# KiCad board AMC_FMC_Carrier-PcbDoc.kicad_pcb (continued)
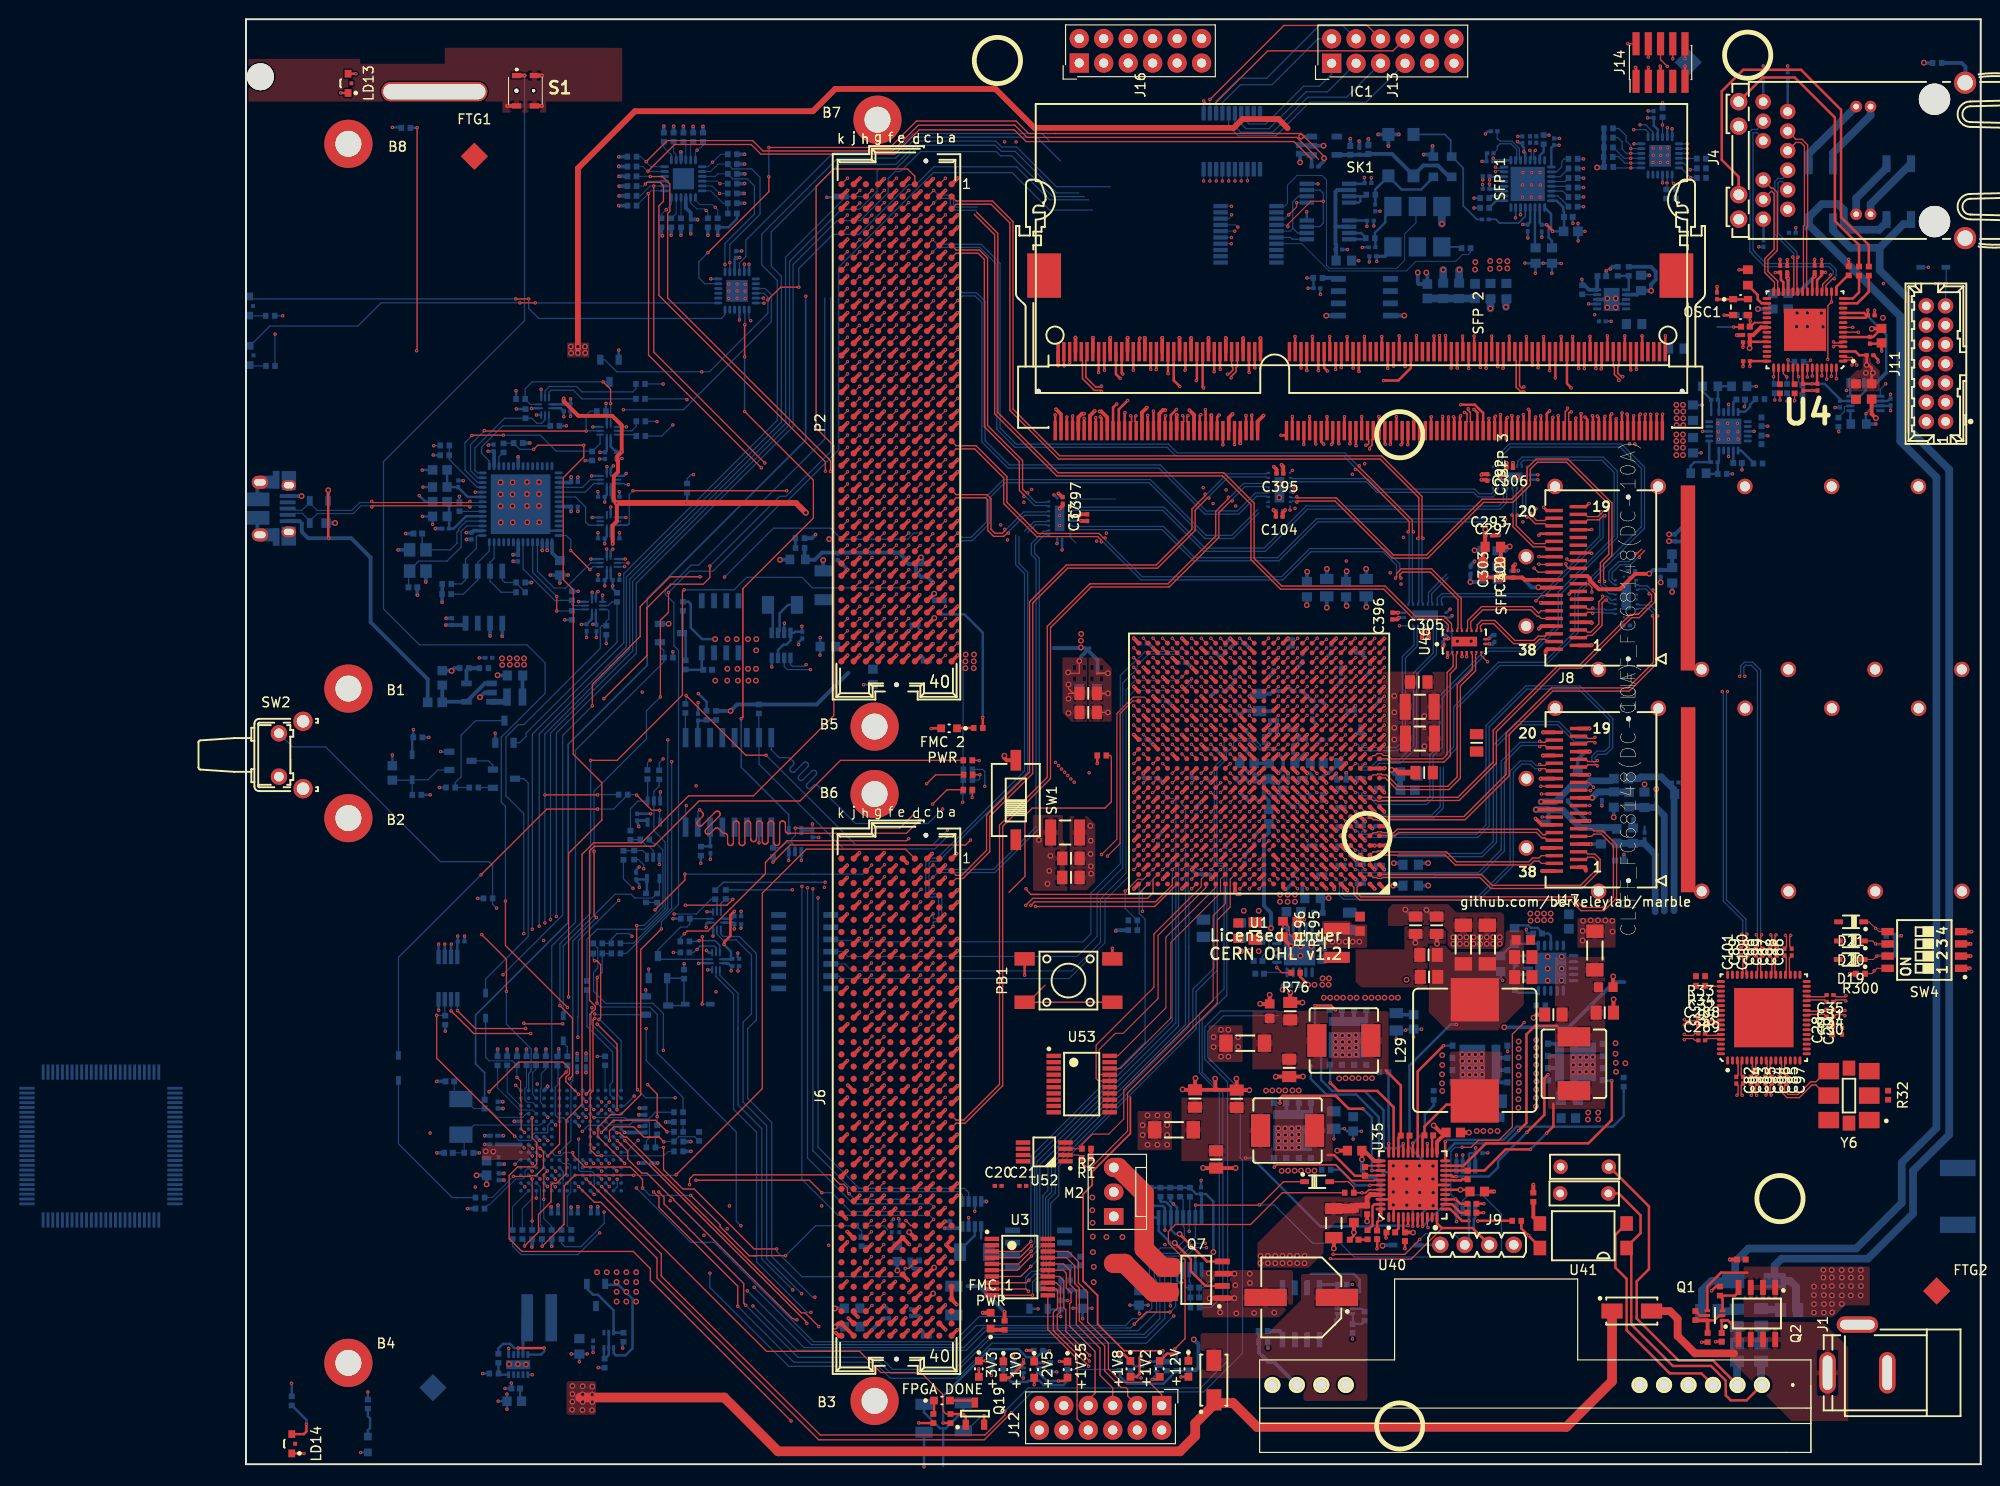
[diagram p0: board, top side]
## Routing (per net, layer and track width the routed paths; a pad name or vN(x,y) marks a point on that pad's centre or on a via; arc(x,y) is an arc through that point) (continued)
  Top w0.11: U1.C21 v1(97.12,61.73)
  Top w0.112: v1(66.23,89.06) P2.G36 65.62,88.42
  In7.Cu w0.1: v1(97.12,61.73) 96.77,61.38 89.18,61.38 88.44,60.64 85.8,60.64 85.36,61.09 82.5,61.09 75.07,68.51 75.07,68.94 70.06,73.94 70.06,82.97 69.57,83.46 69.57,88.02 69.03,88.57 66.72,88.57 v1(66.23,89.06)
MGTAVCC: length 7.6
  Top w0.381: U1.G6 v1(113.12,65.73) ; U1.L6 v1(113.12,69.73) ; U1.E6 v1(113.12,63.73) ; U1.J6 v1(113.12,67.73) ; U1.C6 v1(113.12,61.73)
  Bottom w0.381: C219.1 113.27,67.88 v1(113.12,67.73) ; v1(113.12,69.73) 113.27,69.88 C381.1 ; v1(113.12,65.73) 113.27,65.88 C4.1 ; v1(113.12,63.73) 113.27,63.88 C217.1 ; C221.1 113.27,61.88 v1(113.12,61.73)
  Bottom w0.4: C1.1 109.87,58.83 109.6,59.1 109.6,59.91
  vias: v2(107.29,59.13) v2(107.29,58.39) v2(108.08,59.13) v2(108.08,58.39) v2(108.84,59.13) v2(108.84,58.39)
MGTAVTT: length 46.6
  Top w0.178: 91.77,38.12 91.77,34.33 87.81,30.37 87.81,28.97 86.87,28.03 86.87,19.02 88.36,17.52 88.36,14.54 91.13,11.78 v1(95.15,11.78)
  Top w0.381: U1.M3 v1(116.12,70.73) ; U1.B3 v1(116.12,60.73) ; U1.D3 v1(116.12,62.73) ; U1.H3 v1(116.12,66.73) ; U1.C2 v1(117.12,61.73) ; U1.L2 v1(117.12,69.73) ; v1(116.87,65.99) 116.64,66.23 U1.G2
  Bottom w0.178: v1(95.15,11.78) 95.15,11.05 R253.1
  Bottom w0.381: v1(117.12,61.73) 117.27,61.88 C230.1 ; v1(116.12,70.73) 115.97,70.88 C380.1 ; v1(117.12,69.73) 117.27,69.88 C234.1 ; C225.1 v2(119.05,60.06) ; 120.05,62.4 v2(119.1,62.4) ; v1(116.87,65.99) 117.11,66.23 C232.1
  Bottom w0.4: C238.1 115.97,62.58 v1(116.12,62.73) ; C228.1 115.97,66.58 v1(116.12,66.73) ; v1(114.16,71.77) 114.16,71.77 R161.2 ; C236.1 115.97,60.58 v1(116.12,60.73)
  vias: v2(133.27,57.16) v2(133.29,56.42) v2(134,57.16) v2(134,56.47) v2(134.69,57.16) v2(134.69,56.47) v2(135.38,57.16) v2(135.38,56.47)
VTT_DDR3: length 3.4
  Top w0.254: SK1.204 147.27,117.12 v1(147.28,117.14) ; v1(146.99,109.01) 146.97,108.99 SK1.203
Net-(C38-Pad1): length 3.7
  Bottom w0.254: U30.2 46.89,77.19 C38.1 47.72,77.2 R224.2 47.8,77.26 R225.2
Net-(C39-Pad1): length 3
  Bottom w0.254: R227.2 47.24,64.15 C39.1 48.16,64.18 U30.14
Net-(C42-Pad2): length 16.1
  Top w0.254: 156.04,116.52 156.04,116.51 U4.38 ; v1(158.68,123.71) 158.68,123.71 C52.1 ; 163.51,123.56 163.51,123.42 163.02,122.93 U4.19 ; U4.26 159.52,122.69 159.27,122.94 159.27,123.69 ; C48.1 163.51,123.73 v1(163.88,123.73) ; U4.3 167,115.51 167.4,115.12 C46.1 168.16,114.33 168.69,113.8 168.69,113.33 168.68,113.32 C42.2
  Top w0.4: v2(156.02,115.86) 156.04,115.88 156.04,117.2 156.37,117.2 157.18,118.01 U4.35
  vias: v2(168.08,113.29) v2(168.16,114.11) v2(168.82,113.29)
Net-(C47-Pad2): length 11.5
  Top w0.254: v1(162.75,123.3) 162.52,123.07 U4.20 ; 162.72,123.68 C51.1 ; U4.25 160.02,122.88 160,122.89 v1(160,123.07) 160,123.69
  Top w0.4: v1(160,123.07) 159.92,123.15 C49.1 ; C51.1 162.77,123.32 v1(162.75,123.3)
  Bottom w0.4: C47.2 160.98,121.53 v1(162.75,123.3) ; C47.2 160.02,123.06 v1(160,123.07) ; C47.2 160,121.52 L4.2
Net-(C58-Pad1): length 2.4
  Bottom w0.254: C58.1 157.43,141.45 J4.7
Net-(C59-Pad1): length 3.4
  Bottom w0.254: J4.1 159.97,140.43 C59.1
Net-(C60-Pad1): length 0.2
  Bottom w0.254: 160.13,130.11 J4.6
Net-(C71-Pad2): length 4.1
  Bottom w0.254: U47.16 152.83,110.4 C71.2 152.73,111.89 R68.2 R69.1
Net-(C73-Pad1): length 1.4
  Bottom w0.254: U47.19 154.33,110.21 C73.1
Net-(C75-Pad2): length 3.7
  Bottom w0.254: U47.10 152.83,104.15 C75.2 152.71,104.02 R71.1 151.58,102.81 R70.2
Net-(C77-Pad2): length 1.3
  Bottom w0.254: C77.2 154.33,103.96 U47.7
Net-(C93-Pad1): length 12.4
  Bottom w0.102: C93.1 R132.1 22.64,33.87 Y5.2 22.65,34.21 23.65,35.21 30.55,35.21 30.93,35.59
  Bottom w0.127: 30.93,35.59 30.93,35.58
Net-(C102-Pad1): length 10.1
  Bottom w0.102: C92.1 21.61,38.6 Y5.1 22.65,37.91 23.63,36.93 C102.1 25.17,36.93 26.09,36.01 28.71,36.01 29.09,36.39 29.33,36.39
  Bottom w0.127: 29.33,36.39 29.33,36.39
Net-(C106-Pad1): length 12.5
  Bottom w0.4: U19.2 113.23,132.27 113.04,132.09 113.04,126.68 113.11,126.61 C106.1
  Bottom w0.402: 114.48,128.47 U16.2 114.26,128.46 114.26,128.46 113.04,128.46 ; 113.76,123.05 U14.8 113.25,123.15 R58.1 ; C106.1 113.33,124.73
Net-(C107-Pad1): length 13.8
  Bottom w0.402: U13.5 116.37,135.92 C107.1 118.92,136.02 121.14,133.8 ; 121.14,133.8 Y2.4 ; 121.14,133.8 122.17,134.82 123.67,134.82 125.01,133.49 125.01,133.45
Net-(C111-Pad1): length 5
  Bottom w0.802: L11.2 127.52,121.01 L12.1
Net-(C114-Pad1): length 5.2
  Bottom w0.178: U20.21 132.75,129.54 132.06,128.85 130.08,128.85 129.69,129.23 C114.1
Net-(C114-Pad2): length 14
  Bottom w0.178: Y2.3 124.38,138.05 125.01,137.42 125.01,135.87 126.3,134.57 126.3,130.64 127.71,129.23 C114.2
Net-(C120-Pad1): length 4.2
  Bottom w0.254: U20.19 133.75,126.33 C120.1
Net-(C121-Pad1): length 4.7
  Bottom w0.254: U20.17 135.41,129.8 135.41,128.43 135.16,128.18 135.16,127.35 135.51,127 C121.1
Net-(C123-Pad1): length 8.6
  Top w0.254: v1(135.56,127.98) 135.56,128.07 v1(134.97,128.67)
  Bottom w0.254: U20.18 134.25,128.86 C126.1 134.96,128.66 v1(134.97,128.67) ; U20.16 136,131.16 136.68,130.48 136.68,130.13 136.76,130.05 C123.1 136.76,128.03 L26.1 v1(135.56,127.98)
Net-(C127-Pad1): length 12.9
  Top w0.254: C127.1 126.83,28.49 U35.16 ; U35.4 120.08,24.25 C140.1
  Top w0.4: C140.1 121.08,24.07 v2(121.1,24.04)
  In2.Cu w0.4: v2(126.01,28.49) 126.01,26.94 122.98,23.92 121.66,23.92 121.53,24.04 v2(121.1,24.04)
Net-(C128-Pad1): length 14
  Top w0.254: 154.26,14.43 153.75,14.93 Q1.1 153.12,14.84 C128.1
  Top w0.8: D4.2 147.74,15.9 148.55,15.09 148.55,13.31 150.35,11.51 154.41,11.51
Net-(C129-Pad1): length 124.3
  Top w1: D4.1 141.74,8.62 137,3.88 104.9,3.88 102.42,6.35 100.43,6.35 ; 100.43,6.35 D12.1 ; 100.43,6.35 100.43,6.18 98.5,4.25 98.5,2.94 96.9,1.34 55.22,1.34 49.63,6.92 34.67,6.92
  Bottom w0.254: C129.1 28.44,6.69 C130.1
  vias: v2(33.87,8.12) v2(33.87,7.28) v2(33.87,6.49) v2(33.84,5.65) v2(34.93,8.09) v2(34.93,7.25) v2(34.93,6.47) v2(34.91,5.63) v2(35.93,8.07) v2(35.93,7.23) v2(35.93,6.44) v2(35.9,5.6)
Net-(C132-Pad1): length 8.2
  Top w0.254: v1(28.24,12.06) v1(30.93,12.06)
  Bottom w0.254: U18.10 30.61,11.38 30.99,11.75 ; R109.1 26.18,12 26.67,12.49 27.4,12.49 27.84,12.06 v1(28.24,12.06) U18.8
Net-(C134-Pad2): length 3.6
  Bottom w0.254: R213.2 85.51,20.32 85.37,20.46 Q16.4 86.38,20.46 C134.2
Net-(C135-Pad2): length 3.7
  Bottom w0.254: R214.2 45.65,82.46 C135.2 47.29,82.62 Q23.4
Net-(C138-Pad2): length 1.8
  Top w0.254: 119.17,24.06 119.58,24.47 U35.3
Net-(C139-Pad1): length 2.6
  Bottom w0.254: C139.1 131.95,48.96 133.91,48.96 U36.10
Net-(C143-Pad1): length 5.6
  Bottom w0.13: 135.41,54.14 135.33,54.21
  Bottom w0.254: 131.63,55.59 R168.1 131.93,55.93 133.04,55.93 133.31,55.67 134.02,55.67 134.47,55.22 C143.1 135.15,55.09 135.39,54.84 U36.18
Net-(C144-Pad1): length 27.6
  Top w0.254: v2(117.73,25.49) 117.37,25.14 C362.1
  Top w0.4: 117.35,31.49 U35.34 117.09,31.49 116.02,32.55 C144.1 115.8,32.54 v2(115.8,31.64) ; v2(117.73,25.49) 117.73,25.49 U35.44 ; 123.58,32.57 U35.23 123.58,33.47 124.52,34.41 C361.1 123.97,34.43 v2(123.24,35.17)
  In2.Cu w0.4: v2(123.24,35.17) 122.02,36.39 120.55,36.39 v2(115.8,31.64)
  Bottom w0.4: v2(117.73,25.49) 117.73,29.18 117.07,29.84 116.43,29.84 115.8,30.47 v2(115.8,31.64)
Net-(C145-Pad1): length 2.4
  Bottom w0.102: C145.1 105.77,51.06 U37.10
Net-(C162-Pad1): length 7.7
  Bottom w0.4: U22.1 24.78,81.05 U22.4 20.42,79.15 L10.2 20.37,79.1 C162.1
Net-(C165-Pad1): length 9.7
  Bottom w0.127: C165.1 18.28,95.32 Y4.1 21.2,94.92 21.89,95.61 21.89,96.74 22.08,96.93 22.08,97.13 22.86,97.91 U23.4
Net-(C167-Pad1): length 7.5
  Bottom w0.127: 21.07,98.91 20.86,98.71 C167.1
  Bottom w0.254: U23.5 22.84,98.41 21.55,97.12 C174.1 21.07,99.71 L24.2
Net-(C168-Pad1): length 5.9
  Bottom w0.254: U23.9 23.01,100.41 21.98,101.44 C168.1 L25.2
Net-(C171-Pad1): length 12.2
  Bottom w0.127: C171.1 16.87,92.61 Y4.3 16.98,92.82 17.91,93.75 20.86,93.75 22.32,95.22 22.32,96.82 22.92,97.41 U23.3
Net-(C188-Pad2): length 6.6
  Bottom w0.127: U27.12 97.24,19.3 97.48,19.06 97.48,18.41 97.56,18.33 C188.2 ; U27.11 97.88,18.93 98,18.81 C188.2 ; C188.2 C189.2 98,16.28 R129.2 97.88,16.4
Net-(C199-Pad1):
  vias: v2(24.88,32.48) v2(25.66,32.45)
Net-(C350-Pad1): length 3.5
  Bottom w0.254: 113.03,14.47 113.03,15 113.25,15.22 Q22.1
  Bottom w0.4: Q4.8 107.56,13.51 107.24,13.83 R197.1
Net-(C352-Pad1): length 2.2
  Bottom w0.254: C352.1 157.46,129.21 J4.12
Net-(C353-Pad1): length 37.2
  Top w0.254: C353.1 142.43,28.11 144.7,25.83 144.7,23.99 143.25,22.54 U41.1 ; U40.1 155.71,6.63 154.06,6.63 153.55,7.15 153.55,8.67 152.02,10.2 148.05,10.2 143.74,14.51 143.74,22.52
  Bottom w0.8: L39.2 157.22,8.31 U40.1
Net-(C354-Pad1): length 33.8
  Top w0.254: 141.46,30.88 145.57,26.76 145.57,20.25 144.3,18.98 144.3,15.11 148.65,10.76 152.22,10.76 U40.2
  Bottom w0.8: L40.2 154.71,8.27 U40.2
Net-(C360-Pad1): length 8.2
  Bottom w0.127: D16.2 17.24,69.23 ; D16.2 18.89,71.06 19.9,72.07 Q18.1 ; D16.2 17.2,71.01 C360.1
Net-(C374-Pad1): length 4
  Top w0.178: 155.85,119.27 156.08,119.05 156.08,118.07 156.53,118.51 U4.34
  Bottom w0.178: 155.63,119.26 155.63,119.14 v1(156.09,118.68)
Net-(C383-Pad1): length 0.8
  Top w0.102: v1(109.83,56.53) 109.67,56.37 R195.1
Net-(C393-Pad1): length 1.3
  Bottom w0.254: C393.1 131.78,52.79 U36.15
Net-(C394-Pad1): length 3.4
  Bottom w0.127: U37.15 106.35,54.71 106.15,54.51 106.15,53.44 105.47,52.76 C394.1
Net-(D2-Pad2): length 18.9
  Top w0.127: R245.1 114.94,28.77 114.38,29.34 113.96,29.34 113.95,29.33 D2.2
  Top w0.178: U35.40 116.51,28.49 116.2,28.18 R245.1
  In2.Cu w0.127: J9.1 121.21,22.77 v1(115.8,28.18)
  Bottom w0.254: D5.2 121.64,22.77 J9.1
Net-(D6-Pad3): length 138.9
  Bottom w0.8: D6.3 164.68,128.08 166.49,126.27 169.52,126.27 ; 158.31,19.02 160.26,19.02 160.85,18.43 160.85,15.96 ; 172.7,128.74 171.99,128.74 169.52,126.27 ; D8.1 158.61,20.62 159.33,21.34 168.3,21.34 172.97,26.01 172.97,30.46 176.73,34.21 176.73,103.25 172.79,107.2 172.79,120.68 169.52,123.95 169.52,126.27
Net-(D6-Pad4): length 147.9
  Bottom w0.8: 151.08,15.95 151.08,18.04 152.06,19.02 154.01,19.02 154.52,19.53 154.53,21.02 155.89,22.39 167.08,22.39 171.81,27.12 171.81,31.31 175.4,34.91 175.4,102.44 171.65,106.2 171.65,119.17 162.14,128.68 D6.4 162.14,129.43 163.52,130.81 165.2,130.81 165.8,130.21 165.8,128.9 166.55,128.15 169.46,128.15 170.22,128.91 D7.4
Net-(D13-Pad4): length 34.4
  Top w0.254: v1(8.58,96.13) 8.53,96.18 v2(8.53,101.11)
  Bottom w0.4: D13.4 8.52,101.09 v2(8.53,101.11) ; J10.1 5.55,97.9 5.79,97.67 5.79,96.79 6.45,96.13 v1(8.58,96.13) ; v1(8.58,96.13) 8.73,96.13 ; v1(8.58,96.13) 10.92,96.13 12.93,94.12 12.93,87.42 18.86,81.49 18.86,79.15 18.82,79.11
Net-(D14-Pad2): length 9.2
  Bottom w0.15: R246.2 45.45,47.89 D14.2 45.45,47.62 Q5.3 43.7,47.73 Q17.1 45.39,50.45 R246.2
Net-(D17-Pad1): length 46.2
  Top w0.127: v1(42.92,67.88) 42.11,67.88 v1(40.54,69.46) ; v1(24.38,61.18) 31.21,68.01 v1(36.47,68.01)
  Bottom w0.127: v1(36.47,68.01) 38.13,68.01 39.61,69.49 R276.2 40.48,69.51 v1(40.54,69.46) ; v1(42.92,67.88) 42.92,66.7 U7.4 ; D17.1 15.82,52.62 v1(24.38,61.18)
Net-(D18-Pad1): length 21.2
  Bottom w0.127: U10.4 42.9,59.47 R63.2 42.65,59.24 42.19,58.78 40.35,58.78 39.95,59.17 38.3,59.17 32.92,53.79 D18.1
Net-(J4-Pad17): length 29.2
  Top w0.254: R67.1 167.37,126.57 164.87,129.07 164.87,139.79 160.7,143.96 157.4,143.96 154.89,141.44
Net-(J4-Pad19): length 43.9
  Top w0.254: R156.1 168.39,126.57 165.5,129.45 165.5,140.6 161.36,144.75 155.35,144.75 153.13,142.54 153.13,135.4 154.89,133.65 J4.19
Net-(J4-Pad21): length 20.4
  In2.Cu w0.4: 178.42,127.32 178.42,143.45
  Bottom w0.4: 178.42,143.45 178.42,145.07 178.03,145.47 R165.2
Net-(L13-Pad1): length 3.8
  Bottom w0.254: 28.74,15.12 28.78,15.15
  Bottom w0.3: U18.9 28.74,15.12
Net-(L23-Pad1): length 1.4
  Bottom w0.602: 26.87,79.16 26.86,79.15 U22.3
Net-(L35-Pad2): length 1.7
  Bottom w0.8: 159.05,15.96 158.94,16.07 157.44,16.07
Net-(L36-Pad2): length 1.8
  Bottom w0.8: 154.68,15.88 152.95,15.88 152.88,15.95
Net-(L37-Pad2): length 1.5
  Bottom w0.8: L39.1 157.22,14.05
Net-(L38-Pad2): length 1.6
  Bottom w0.8: 154.68,14.08 154.71,14.05 L40.1
Net-(LD1-Pad2): length 1.5
  Top w0.4: R235.2 77.39,13.95 LD1.2
Net-(LD2-Pad2): length 1.7
  Top w0.254: R236.2 73.82,76.43 LD2.2
Net-(LD3-Pad1): length 2.7
  Top w0.254: LD3.1 75.43,6.61 Q19.3
Net-(LD3-Pad2): length 1.4
  Top w0.254: LD3.2 71.39,5.28 R163.2
Net-(LD4-Pad2): length 1.4
  Top w0.254: v1(76.74,10.73) 76.73,10.72 LD4.2
  Bottom w0.254: v1(76.74,10.73) 77.28,10.73 R248.2
Net-(LD5-Pad1): length 3.4
  Top w0.254: v1(80.67,10.84) 80.67,10.42 79.24,9 LD5.1
  Bottom w0.254: v1(80.67,10.84) 80.67,10.53 80.66,10.52
Net-(LD5-Pad2): length 1.6
  Top w0.254: LD5.2 78.6,10.66 v1(78.6,11.53)
  Bottom w0.254: R249.2 78.58,11.52 v1(78.6,11.53)
Net-(LD6-Pad2): length 2.6
  Top w0.254: LD6.2 81.79,11.55 81.52,11.81 v1(80.97,11.81)
  Bottom w0.254: v1(80.97,11.81) 81.71,11.81 R251.2
Net-(LD7-Pad1): length 3.5
  Top w0.254: v1(84.3,8.64) 84.88,8.64 LD7.1
  Bottom w0.254: v1(84.3,8.64) 83.12,8.64 82.24,9.52
Net-(LD7-Pad2): length 1.7
  Top w0.254: LD7.2 84.41,10.65 v1(84.39,10.67)
  Bottom w0.254: R252.2 85.11,10.67 v1(84.39,10.67)
Net-(LD8-Pad1): length 3.7
  Top w0.254: LD8.1 92.42,9.07 92.74,9.39 92.74,11.08 v1(92.91,11.26)
  Bottom w0.254: v1(92.91,11.26) 92.88,11.23 92.88,10.65
Net-(LD8-Pad2): length 2.2
  Top w0.254: LD8.2 91.09,11.4 v1(90.65,11.4)
  Bottom w0.254: v1(90.65,11.4) 90.66,11.38 R254.2
Net-(LD9-Pad1): length 1.9
  Top w0.254: v1(94.03,8.79) 94.54,8.79 LD9.1
  Bottom w0.254: v1(94.03,8.79) 94.46,9.23 94.46,9.65
Net-(LD9-Pad2): length 2.9
  Top w0.254: v1(96.57,11.47) 95.57,11.47 LD9.2
  Bottom w0.254: R256.2 v1(96.57,11.47)
Net-(LD10-Pad2): length 2.2
  Top w0.254: LD10.2 97.79,11.76 v1(97.77,11.78)
  Bottom w0.254: R257.2 97.77,10.76 v1(97.77,11.78)
Net-(LD11-Pad1): length 50.4
  Top w0.127: v1(30.02,120.56) v1(28.42,120.56)
  Bottom w0.127: v1(28.42,120.56) 14.02,120.56 11.6,118.15 2.48,118.15 LD11.1 ; v1(30.02,120.56) 30.03,120.55 U39.13
Net-(LD11-Pad2): length 1.7
  Bottom w0.127: R264.2 0.52,114.01 LD11.2
Net-(LD12-Pad1): length 51.5
  Top w0.127: v1(29.33,120.97) v1(27.99,120.97)
  Bottom w0.127: v1(29.33,120.97) 29.33,119.98 30.38,118.94 49.31,118.94 49.7,119.33 U39.12 ; LD12.1 0.64,120.97 v1(27.99,120.97)
Net-(LD12-Pad2): length 1.7
  Bottom w0.127: R265.2 0.39,119.22 LD12.2
Net-(LD13-Pad1): length 112.6
  Top w0.127: v1(24.46,54.98) 27.02,52.42 v1(27.02,49.09)
  Top w0.254: v1(9.83,142.36) 9.84,142.35 LD13.1
  In2.Cu w0.127: v1(9.83,142.36) 14.25,137.94 14.25,65.19 v1(24.46,54.98)
  Bottom w0.127: v1(27.02,49.09) 27.02,45.68 29.59,43.12 29.59,41.01 29.56,40.98 29.56,40.78 29.33,40.55 29.33,38.79
Net-(LD13-Pad2): length 9.5
  Top w0.254: LD13.2 11.39,144.35 v1(11.4,144.34)
  In2.Cu w0.254: v1(15.19,138.78) 14.2,138.78 11.4,141.57 v1(11.4,144.34)
  Bottom w0.254: v1(15.19,138.78) 16.06,138.78 R266.2
Net-(LD14-Pad1): length 51.7
  Top w0.254: LD14.1 6,1.12 v1(6.02,1.11)
  In2.Cu w0.127: v1(19.1,34.38) 7.62,22.9 7.62,5 6.43,3.82 6.4,3.82 6.4,3.78 6.02,3.4 v1(6.02,1.11)
  GND5.Cu w0.127: v1(27.99,39.34) 24.05,39.34 v1(19.1,34.38)
  Bottom w0.127: v1(27.99,39.34) 28.53,38.8 28.53,38.79
Net-(LD14-Pad2): length 5
  Top w0.254: v1(6.27,4.16) 6.27,3.39 6,3.12 LD14.2
  Bottom w0.254: R267.2 4.77,6.1 6.27,4.6 v1(6.27,4.16)
Net-(LD15-Pad1): length 57.6
  Top w0.127: v1(25.21,38.66) 28.3,41.75 32.89,41.75 33.56,41.07 33.56,40.54 33.19,40.17 33.19,39.72 v1(34.52,38.4)
  In2.Cu w0.127: v1(11.88,1.21) 22.32,11.65 22.32,35.77 v1(25.21,38.66)
  Bottom w0.127: v1(34.52,38.4) 34.13,38.01 34.13,37.99
  Bottom w0.254: LD15.1 11.9,1.22 v1(11.88,1.21)
Net-(LD15-Pad2): length 3.1
  Bottom w0.254: R268.2 12.65,4.99 12.88,4.77 12.88,3.76 12.65,3.53 LD15.2
Net-(M1-Pad1): length 15.6
  In2.Cu w0.254: v1(95.35,24.3) 94.1,23.05 94.1,19.7 90.16,15.76 90.01,15.76
  GND5.Cu w0.254: 90.01,15.76 90.16,15.76
  Bottom w0.254: v1(95.35,24.3) 95.34,24.31 U27.2 95.34,26.63 95.15,26.81 94.23,26.81 93.88,27.17 R175.2
Net-(M1-Pad3): length 7.1
  Top w2: 95.83,17.86 94.16,17.86 91.17,20.84 90.01,20.84
Net-(M2-Pad1): length 9.2
  In2.Cu w0.254: M2.1 94.33,25.72 95.63,27.01 v1(96.23,27.01)
  Bottom w0.254: 96.58,25.58 U27.4 96.61,26.65 96.6,26.65 v1(96.23,27.01) 95.91,27.34 R177.2
Net-(M2-Pad3): length 13.8
  Top w2: M2.3 90.51,30.8 93.2,28.11 93.2,22.34 95.11,20.44 96.15,20.44
Net-(Q1-Pad2): length 4.4
  Top w0.254: Q1.6 152.37,14.93 152.87,15.43 Q1.2
  Top w0.4: R107.1 150.42,14.93 Q1.6 151.66,14.91 R104.1
Net-(Q1-Pad3): length 4.2
  Top w0.254: Q2.4 154.87,17.87 154.5,17.5 R108.1 153.21,17.22 Q1.3
Net-(Q1-Pad5): length 1.4
  Top w0.254: R107.2 150.86,15.43 Q1.5
Net-(Q6-Pad3): length 16.6
  Top w0.127: v1(37.84,110.1) 37.83,110.1 37.83,111.59 v1(37.06,112.36)
  Bottom w0.127: 37.84,112.29 37.77,112.36 v1(37.06,112.36) 29.7,112.36 28.97,111.62 R204.2 28.97,110.56 29.51,110.02 U33.2 ; U26.2 37.84,110.1 v1(37.84,110.1)
Net-(Q7-Pad2): length 14.3
  Top w0.254: v2(96.36,22.98) 96.36,22.97 98.04,21.29 98.04,20.03 99.57,18.51 101.3,18.51
  Bottom w0.254: R174.2 92.86,26.99 94.25,25.6 U27.1 94.7,24.22 95.94,22.98 v2(96.36,22.98)
Net-(Q7-Pad4): length 10.8
  Top w0.254: v2(96.87,23.89) 99.72,21.05 Q7.4
  Bottom w0.254: v2(96.87,23.89) 96.42,23.89 95.97,24.34 U27.3 95.97,26.71 95.45,27.22 94.99,27.22 94.89,27.32 R176.2
Net-(Q8-Pad3): length 3.5
  Bottom w0.254: Q8.3 82.87,18.44 83.28,18.02 R202.2 R213.1
Net-(Q9-Pad3): length 5
  Bottom w0.254: 45.31,88.56 45.31,86.34 Q9.3 ; 45.56,86.1 45.62,86.05 R214.1
Net-(Q14-Pad1): length 1.5
  Bottom w0.127: Q14.1 25.58,70.25 R269.2
Net-(Q14-Pad2): length 2.9
  Bottom w0.127: Q18.3 25.17,73.02 25.62,72.56 Q14.2
Net-(Q15-Pad2): length 4.1
  Bottom w0.254: Q15.6 37.14,11.02 R171.1 37.25,10.95 37.64,11.34 Q15.5 Q15.2
Net-(Q15-Pad3): length 7.4
  Bottom w0.254: 35.22,18.62 35.22,18.39 36.01,17.59 36.52,17.59 38.14,15.98 Q15.3 39.07,13.66 39.09,13.64
Net-(Q16-Pad5): length 4.4
  Bottom w0.254: U17.1 76.28,23.42 ; 76.65,22.45 R182.1
  Bottom w0.4: R182.1 77.37,21.73 Q16.6
Net-(Q17-Pad3): length 13.2
  Bottom w0.127: U8.2 46.06,56.63 R131.2 46.06,56.09 45.74,55.77 45.11,55.77 42.75,53.41 Q17.3 43.09,52.41 U9.2
Net-(Q22-Pad2): length 4.3
  Bottom w0.254: R184.1 115.74,14.56 R181.1 114.83,14.59 Q22.6 114.29,15.62 113.79,16.12 Q22.2
Net-(Q22-Pad3): length 4
  Bottom w0.254: Q22.3 113.25,18.6 R212.1 111.37,18.66
Net-(Q22-Pad5): length 1.4
  Bottom w0.254: R184.2 115.78,16.12 Q22.5
Net-(Q23-Pad5): length 3.2
  Bottom w0.254: U32.1 54.66,86.42 54.66,88.71 R183.1
Net-(Q24-Pad1): length 21.1
  Bottom w0.127: U24.4 37.58,89.13 37.96,89.51 R273.2 38.5,85.33 29.05,75.89 29.05,75.56 28.39,74.89 Q24.1
Net-(Q24-Pad3): length 12.3
  Bottom w0.127: R269.1 R271.1 21.7,70.74 22.32,71.36 22.32,75.68 23.83,77.19 Q24.3
Net-(Q26-Pad2): length 1.4
  Bottom w0.254: R247.2 83.37,10.52 82.87,10.02 82.24,10.02
Net-(Q26-Pad5): length 1.2
  Bottom w0.254: 80.66,10.02 80.04,10.02 R250.2
Net-(Q27-Pad2): length 1.3
  Bottom w0.254: 94.46,10.15 95,10.15 95.45,9.71 R253.2
Net-(Q27-Pad5): length 1.3
  Bottom w0.254: 92.88,10.15 92.24,10.15 R255.2
Net-(R30-Pad1): length 2.9
  Bottom w0.254: U31.1 143.49,121.91 143.48,121.92 R31.1 R30.1
Net-(R34-Pad1): length 1.7
  Top w0.127: U2.50 151.45,49.61 R34.1
Net-(R43-Pad1): length 2.4
  Bottom w0.102: R43.1 44.14,129.34 44.64,129.84 U5.23
Net-(R44-Pad1): length 2.2
  Bottom w0.102: U5.22 45.14,129.34 R44.1
Net-(R51-Pad1): length 2
  Bottom w0.102: U5.8 44.64,135.94 44.37,136.21 R51.1
Net-(R52-Pad1): length 2.2
  Bottom w0.102: U5.7 44.14,135.94 44.02,136.06 43.99,136.06 43.35,136.69 R52.1
Net-(R64-Pad1): length 11.1
  Top w0.127: v1(166.71,118.01) 166.71,118.01 U4.8
  In2.Cu w0.127: v1(166.08,111.46) 166.11,111.46 167.08,112.44 167.08,113.32 167.62,113.85 167.62,116.62 166.71,117.53 v1(166.71,118.01)
  Bottom w0.127: v1(166.08,111.46) 166.48,111.46 166.5,111.48 R64.1
  Bottom w0.254: 166.46,110.9 166.46,112.2 R64.1
Net-(R65-Pad2): length 2.3
  Top w0.254: U4.15 165.02,122.22 166.21,123.41 R65.2
Net-(R66-Pad2): length 3.1
  Top w0.254: 155.89,122.4 R66.2 156.85,121.38 156.85,120.93 157.27,120.51 U4.30
Net-(R67-Pad2): length 3.7
  Top w0.254: U4.14 166.73,121.01 167.37,121.65 R67.2
Net-(R72-Pad2): length 2.5
  Bottom w0.254: U47.20 154.87,109.27 155.57,109.27 156.05,109.76 156.05,109.98 156.62,110.55 R72.2
Net-(R73-Pad2): length 2.2
  Bottom w0.254: R73.2 156.42,103.95 155.14,105.22 U47.6
Net-(R76-Pad2): length 2.3
  Top w0.127: v1(106.96,51.55) 107.49,51.02 R76.2
  Bottom w0.127: U37.11 106.97,51.56 v1(106.96,51.55)
Net-(R92-Pad2): length 3.8
  Bottom w0.254: U16.4 116.08,127.16 R92.2 116.19,127.34 115.72,127.81 U16.3
Net-(R93-Pad2): length 3.6
  Bottom w0.254: 115.63,131.62 116.07,131.62 R93.2 ; 115.63,131.62 115.63,131.13 115.47,130.97 U19.4 ; 115.63,131.62 U19.3
Net-(R94-Pad2): length 1.8
  Bottom w0.254: R94.2 134.65,136.25 134.25,135.85 U20.7
Net-(R95-Pad2): length 1.9
  Bottom w0.127: U20.12 136.87,133.16 R95.2
Net-(R96-Pad2): length 1.9
  Bottom w0.254: R96.2 129.74,131.16 U20.25
Net-(R97-Pad2): length 1.6
  Bottom w0.254: U20.26 129.22,131.66 R97.2
Net-(R98-Pad2): length 1.8
  Bottom w0.127: U20.13 137.09,132.66 R98.2
Net-(R99-Pad2): length 2
  Bottom w0.127: R99.2 137.23,131.56 136.62,132.16 U20.14
Net-(R100-Pad2): length 2.3
  Bottom w0.127: R100.2 137.23,130.57 136.13,131.66 U20.15
Net-(R101-Pad2): length 2.7
  Bottom w0.127: R101.2 136.78,135.5 136.51,135.24 136.51,134.68 136,134.16 U20.10
Net-(R102-Pad2): length 2.1
  Bottom w0.127: R102.2 137.23,134.49 136.4,133.66 U20.11
Net-(R103-Pad1): length 2.1
  Bottom w0.178: Y3.4 125.99,126.37 R103.1
Net-(R109-Pad2): length 2.2
  Bottom w0.254: U18.5 26.32,9.3 R110.1 26.2,10.51 R109.2
Net-(R112-Pad2): length 6.1
  Bottom w0.127: U23.11 23.98,101.41 21.09,104.3 R116.1 R112.2
Net-(R113-Pad2): length 3.9
  Bottom w0.127: U21.4 26.59,91.81 26.86,91.53 R113.2 28.03,91.48 28.97,90.54 R114.1
Net-(R114-Pad2): length 7.4
  Bottom w0.127: U23.55 25.75,94.03 25.74,94.03 25.32,93.61 U21.3 25.32,91.67 26.48,90.52 R114.2
Net-(R115-Pad2): length 7.8
  Bottom w0.127: R115.2 22.57,90.33 24.05,91.81 24.05,93.61 25.25,94.81 U23.56
Net-(R117-Pad2): length 7.3
  Bottom w0.127: U23.1 24.02,96.41 23.9,96.29 23.9,95.08 22.78,93.96 U21.1 22.78,91.81 22.35,91.38 R117.2
Net-(R118-Pad2): length 2.8
  Bottom w0.4: U22.5 22.88,82.4 R119.1 R118.2
Net-(R120-Pad2): length 2.4
  Bottom w0.127: R120.2 22.17,98.91 U23.6
Net-(R121-Pad2): length 11.2
  Top w0.127: v1(32.23,88.57) 32.24,88.59 v1(32.24,90.08)
  Bottom w0.127: U24.8 33.96,88.73 R121.2 33.8,88.57 v1(32.23,88.57) ; 32.22,90.11 v1(32.24,90.08) ; 32.23,90.1 29.75,92.58 U23.47
Net-(R122-Pad2): length 21.5
  Top w0.127: v1(26.71,106.82) 23.48,106.82 v1(23.44,106.78)
  Bottom w0.127: U26.8 36.74,105.94 35.98,105.17 32.19,105.17 30.54,106.82 v1(26.71,106.82) ; v1(23.44,106.78) 23.27,106.61 23.27,106.58 22.73,106.05 22.73,103.2 24.02,101.91 U23.12
Net-(R123-Pad2): length 11.2
  Bottom w0.127: U24.9 33.95,89.13 33.82,89.26 R123.2 32.67,89.68 32.66,89.67 ; 32.66,89.67 32.03,89.67 28.75,92.95 U23.49 ; 32.66,89.67 32.8,89.67
Net-(R124-Pad2): length 21.3
  Top w0.127: v1(24.74,107.29) 24.77,107.25 v1(35.29,107.25)
  Bottom w0.127: v1(24.74,107.29) 24.56,107.12 24.56,107.11 23.3,105.84 23.3,103.13 24.02,102.41 U23.13 ; U26.9 35.32,107.28 v1(35.29,107.25) 35.29,108.89 35.71,109.31 R124.2
Net-(R125-Pad2): length 12.6
  Bottom w0.127: U33.9 31.04,108.42 30.68,108.07 30.16,108.07 29.64,108.59 R125.2 26.84,108.59 23.76,105.5 23.76,103.17 24.02,102.91 U23.14
Net-(R126-Pad2): length 11.5
  Bottom w0.127: U23.15 25.25,104.14 24.46,104.92 24.46,105.6 26.64,107.79 R126.2 31.44,107.93 U33.8
Net-(R135-Pad2): length 9.2
  Bottom w0.102: v1(36.12,35.98) 35.91,36.19
  Bottom w0.127: 35.91,36.19 35.73,36.37 35.73,36.39 ; R135.2 42.49,36.54 41.78,35.83 39.46,35.83 39.3,35.98 v1(36.12,35.98)
Net-(R136-Pad2): length 2.6
  Bottom w0.102: R136.2 37.26,38.86 37.33,38.79
  Bottom w0.127: 37.33,38.79 37.33,38.79
Net-(R148-Pad2): length 8.2
  Bottom w0.102: 32.9,29.54 32.9,24.87 32.74,24.7 R148.2 ; 32.9,29.54 32.9,30.05 ; 32.9,29.54 32.9,30.41 ; 32.9,30.05 32.9,30.16 ; 32.9,30.05 32.9,30.41 ; 32.9,30.41 32.53,30.79
  Bottom w0.127: 32.89,30.42 32.53,30.78 32.53,30.79
Net-(R149-Pad2): length 8.5
  Bottom w0.102: 32.53,31.59 32.9,31.21 33.51,31.21 33.7,31.02 33.7,28.21 33.33,27.84 33.33,24.71 33.73,24.31 R149.2
  Bottom w0.127: 32.53,31.59 32.53,31.59
Net-(R150-Pad2): length 4.8
  Bottom w0.102: R150.2 27.66,26.72 29.33,28.39
  Bottom w0.127: 29.33,28.39 29.33,28.39
Net-(R151-Pad2): length 10.8
  Top w0.127: v1(31.32,31.99) 32.53,33.21 32.53,40.03 v1(33.22,40.72)
  Bottom w0.127: v1(31.32,31.99) 30.93,32.38 30.93,32.39 ; v1(33.22,40.72) 33.35,40.84 R151.2
Net-(R152-Pad2): length 10.1
  Top w0.127: v1(27.75,29.87) 29.45,29.87 29.53,29.95 30.06,29.95 30.87,30.76 30.87,32.44 v1(30.5,32.81)
  Bottom w0.102: v1(27.75,29.87) 25.55,27.68 R152.2
  Bottom w0.127: 30.13,33.19 30.13,33.18 v1(30.5,32.81)
Net-(R153-Pad2): length 5.2
  Bottom w0.102: 30.55,28.46 30.55,24.86 30.71,24.7 R153.2 ; 30.55,28.46 30.55,28.53 ; 30.55,28.46 30.55,28.77 30.13,29.19
  Bottom w0.127: 30.13,29.19 30.13,29.17
